# KiCad board 8-Bit CPU 32k.kicad_pcb
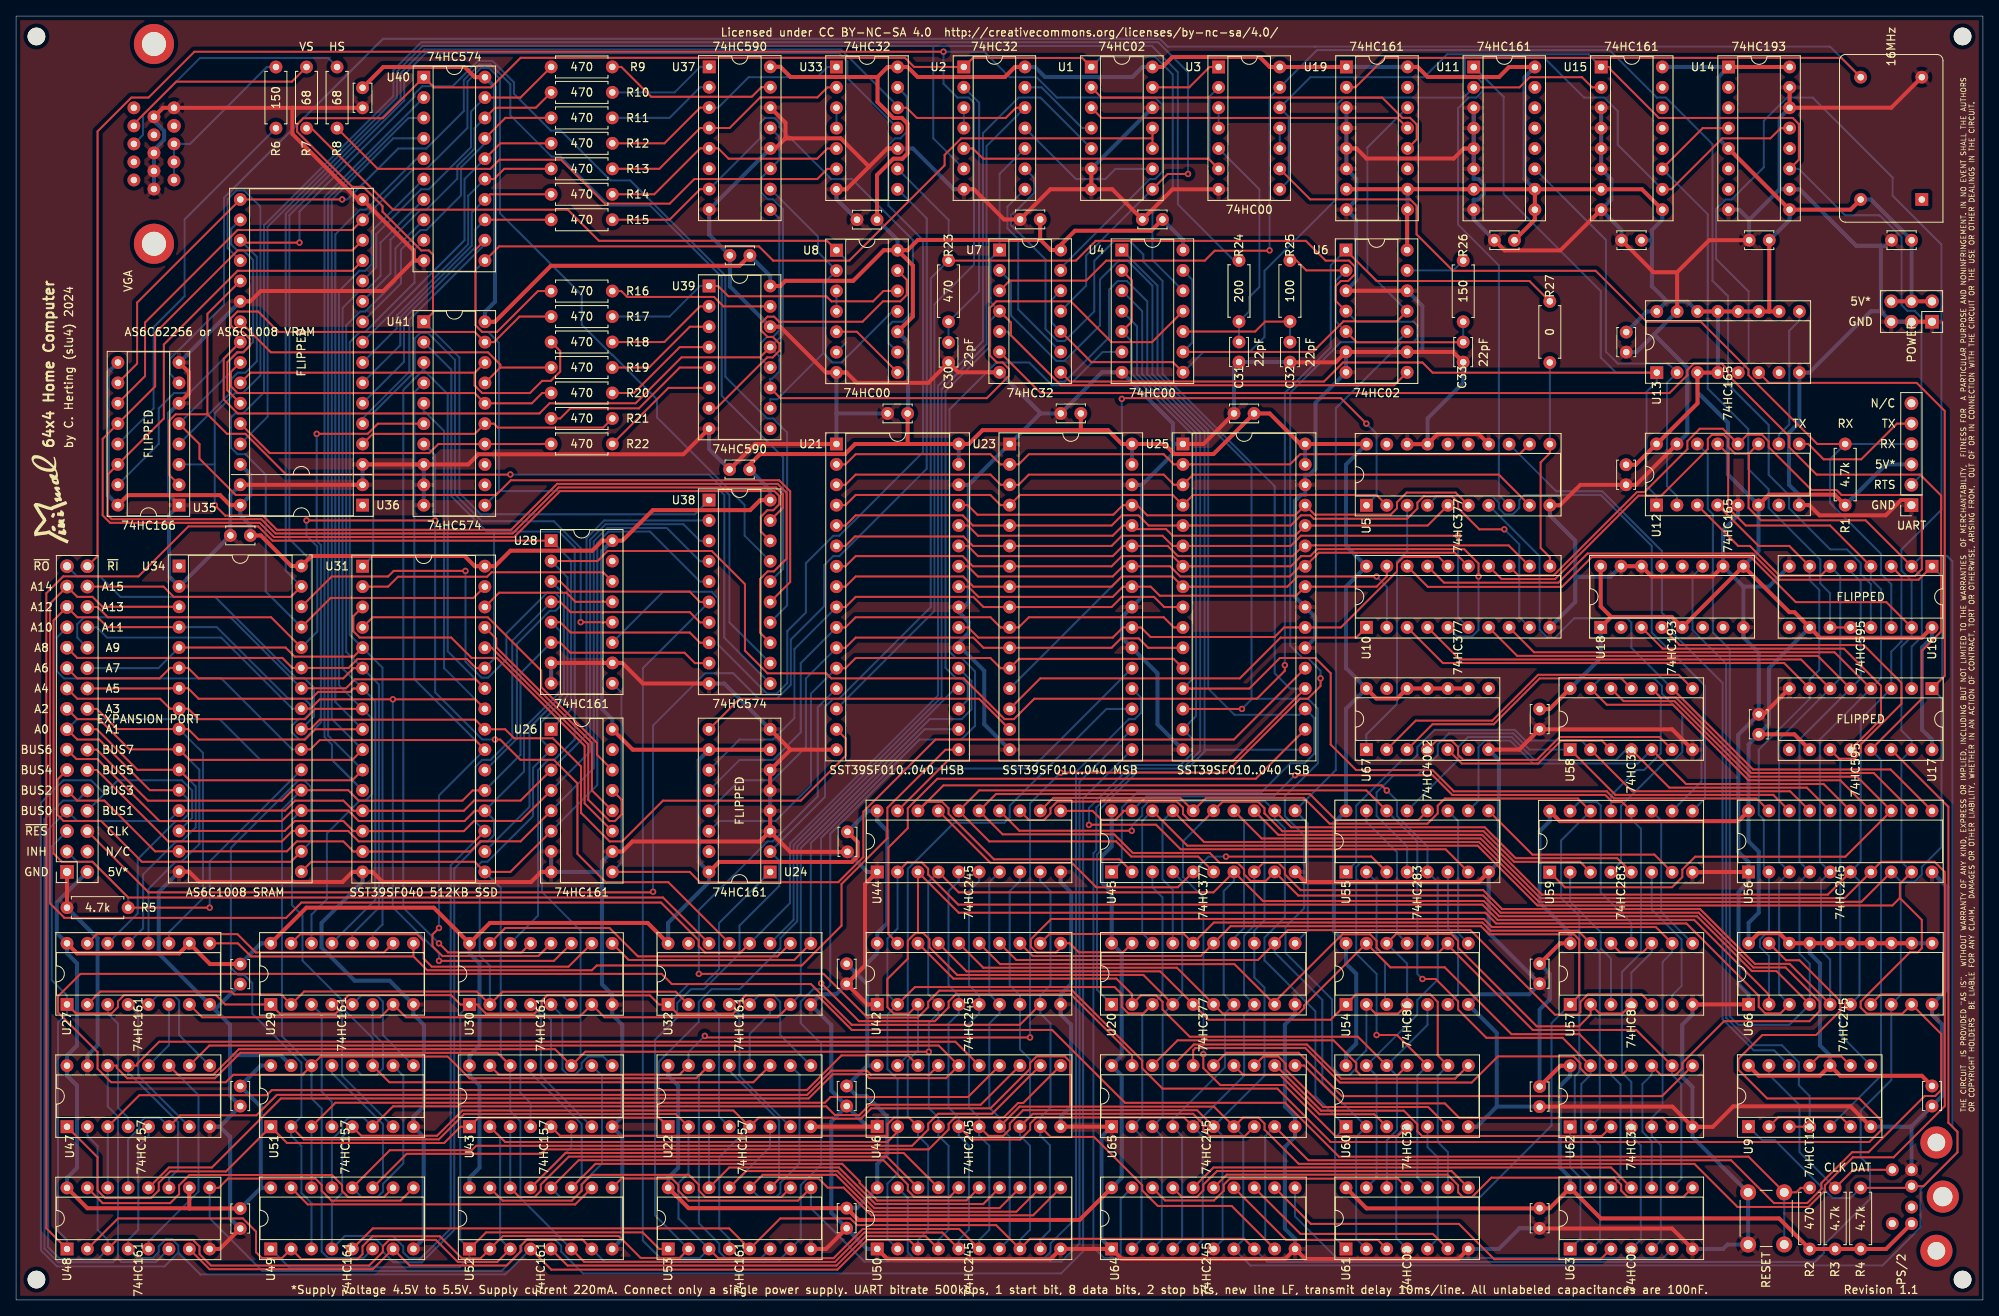
[diagram p0: board, top side]
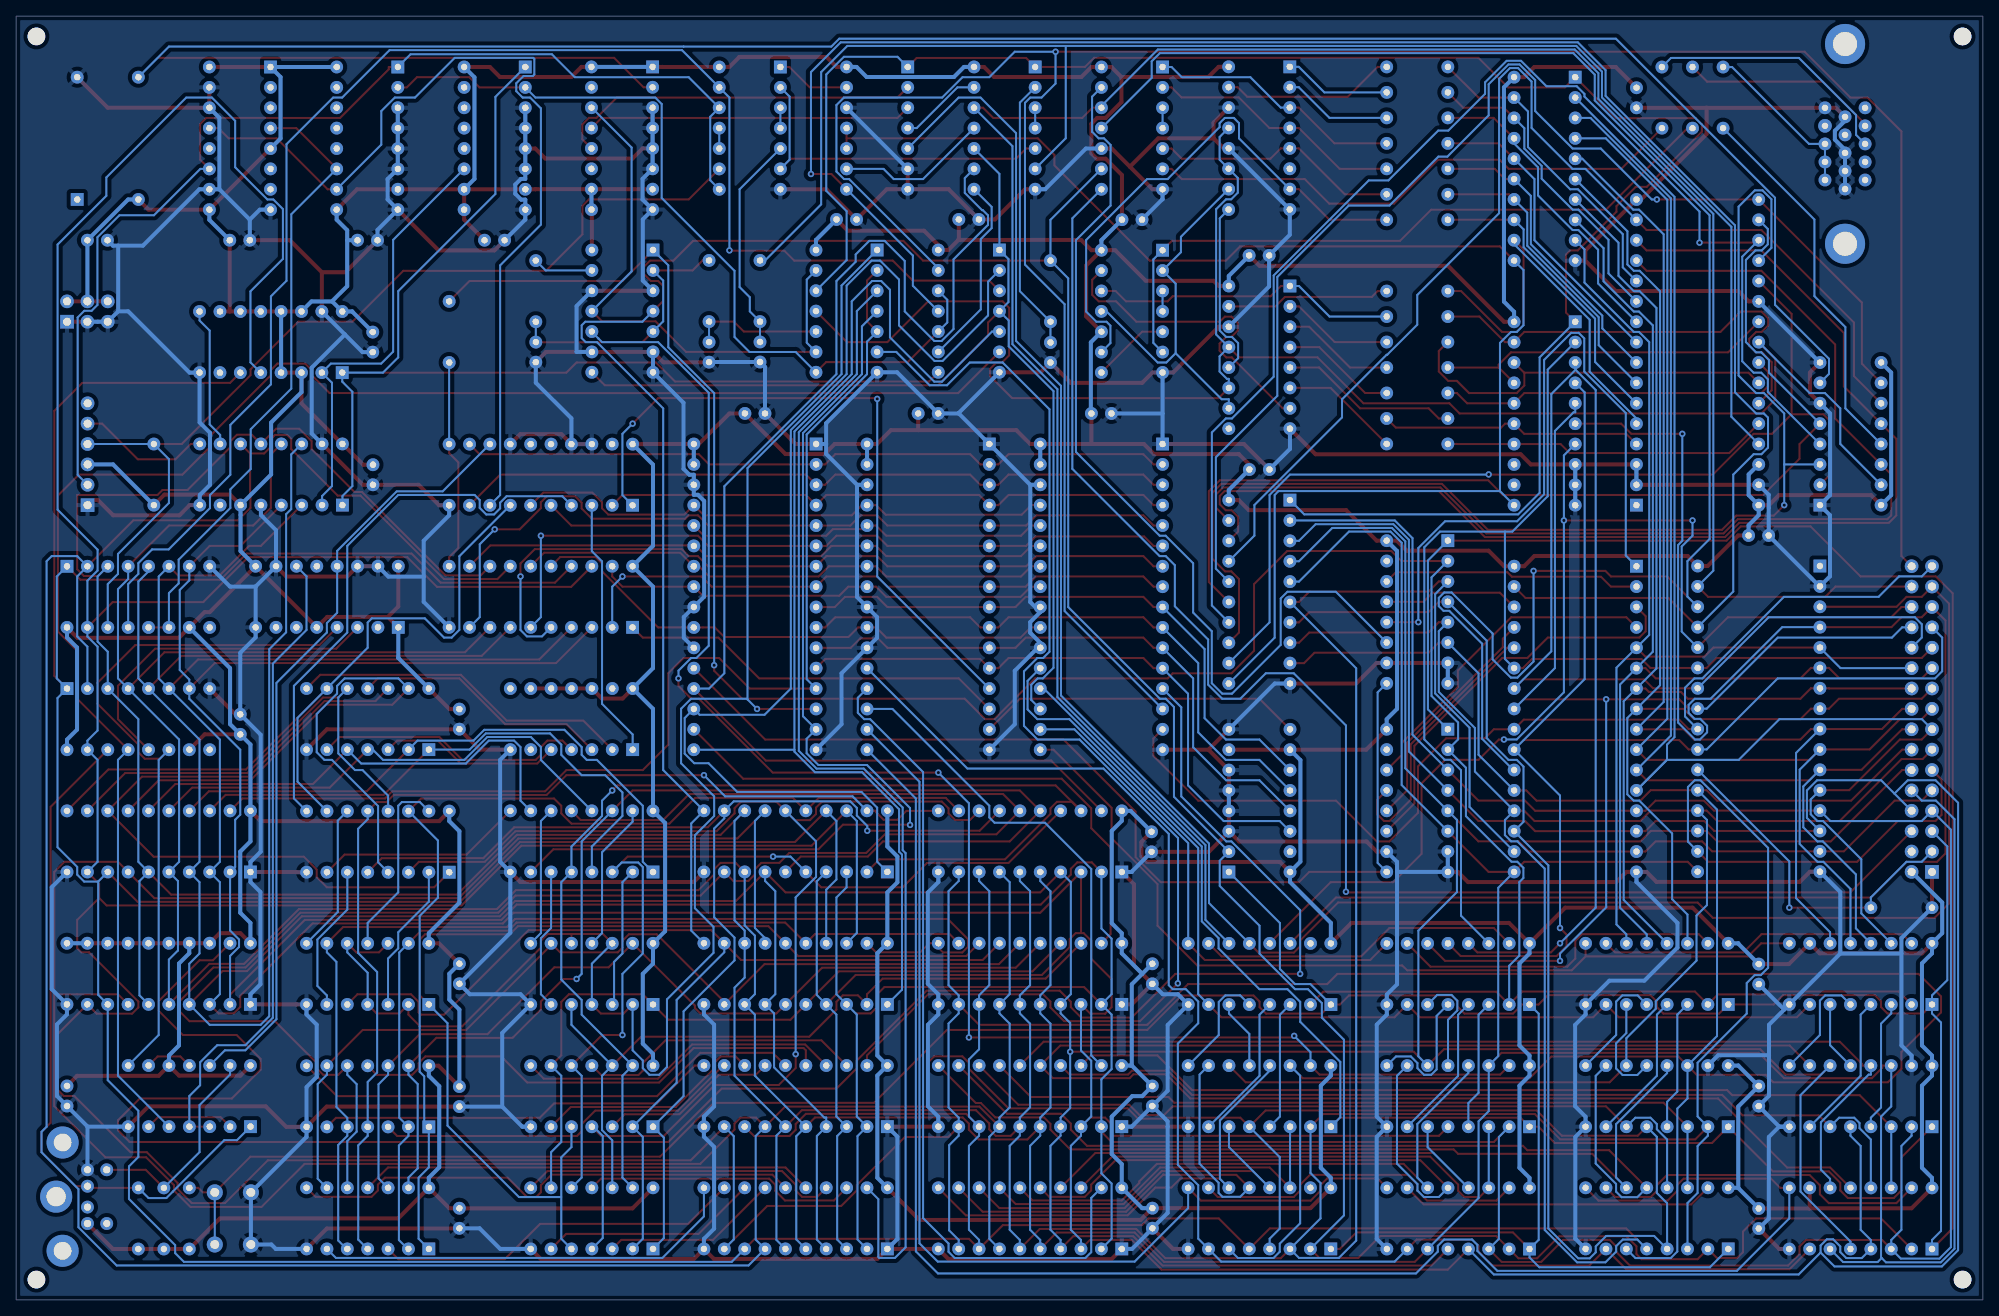
[diagram p1: board, bottom side, seen from below]

Outline 245.11 x 160.02 mm; copper layers: Top, Bottom. Coordinates in mm from the lower left corner of the outline.
Outline path: rectangle 0,160.02 245.11,0
Stack: Top 0.035mm / dielectric 1.51mm FR4 er 4.5 / Bottom 0.035mm

## Placement (name value [footprint] x y rotation side)
C1  100nF  [C_Disc_D3.4mm_W2.1mm_P2.50mm]  142.87 134.67 180 top
C2  100nF  [C_Disc_D3.4mm_W2.1mm_P2.50mm]  107.3 134.64 180 top
C3  100nF  [C_Disc_D3.4mm_W2.1mm_P2.50mm]  238.76 26.67 270 top
C4  100nF  [C_Disc_D3.4mm_W2.1mm_P2.50mm]  103.51 41.9 270 top
C5  100nF  [C_Disc_D3.4mm_W2.1mm_P2.50mm]  202.56 132.08 180 top
C6  100nF  [C_Disc_D3.4mm_W2.1mm_P2.50mm]  29.2 95.28 180 top
C7  100nF  [C_Disc_D3.4mm_W2.1mm_P2.50mm]  189.87 41.91 270 top
C8  100nF  [C_Disc_D3.4mm_W2.1mm_P2.50mm]  132.69 110.49 180 top
C9  100nF  [C_Disc_D3.4mm_W2.1mm_P2.50mm]  27.94 41.86 270 top
C10  100nF  [C_Disc_D3.4mm_W2.1mm_P2.50mm]  154.28 110.49 180 top
C11  100nF  [C_Disc_D3.4mm_W2.1mm_P2.50mm]  103.61 58.35 270 top
C12  100nF  [C_Disc_D3.4mm_W2.1mm_P2.50mm]  91.45 130.19 180 top
C13  100nF  [C_Disc_D3.4mm_W2.1mm_P2.50mm]  189.87 73.64 270 top
C14  100nF  [C_Disc_D3.4mm_W2.1mm_P2.50mm]  236.22 132.08 180 top
C15  100nF  [C_Disc_D3.4mm_W2.1mm_P2.50mm]  189.87 26.6 270 top
C16  100nF  [C_Disc_D3.4mm_W2.1mm_P2.50mm]  27.94 26.66 270 top
C17  100nF  [C_Disc_D3.4mm_W2.1mm_P2.50mm]  218.48 132.08 180 top
C18  100nF  [C_Disc_D3.4mm_W2.1mm_P2.50mm]  217.17 70.5 90 top
C19  100nF  [C_Disc_D3.4mm_W2.1mm_P2.50mm]  186.73 132.08 180 top
C20  100nF  [C_Disc_D3.4mm_W2.1mm_P2.50mm]  127.62 134.67 180 top
C21  100nF  [C_Disc_D3.4mm_W2.1mm_P2.50mm]  43.18 151.08 270 top
C22  100nF  [C_Disc_D3.4mm_W2.1mm_P2.50mm]  103.51 26.67 270 top
C23  100nF  [C_Disc_D3.4mm_W2.1mm_P2.50mm]  200.63 104.1 270 top
C24  100nF  [C_Disc_D3.4mm_W2.1mm_P2.50mm]  27.94 11.4 270 top
C25  100nF  [C_Disc_D3.4mm_W2.1mm_P2.50mm]  200.66 120.63 270 top
C26  100nF  [C_Disc_D3.4mm_W2.1mm_P2.50mm]  111.11 110.49 180 top
C27  100nF  [C_Disc_D3.4mm_W2.1mm_P2.50mm]  103.51 11.44 270 top
C28  100nF  [C_Disc_D3.4mm_W2.1mm_P2.50mm]  189.87 11.43 270 top
C29  100nF  [C_Disc_D3.4mm_W2.1mm_P2.50mm]  91.42 103.5 180 top
C30  22pF  [C_Disc_D3.4mm_W2.1mm_P2.50mm]  116.2 119.34 270 top
C31  22pF  [C_Disc_D3.4mm_W2.1mm_P2.50mm]  152.4 119.4 270 top
C32  22pF  [C_Disc_D3.4mm_W2.1mm_P2.50mm]  158.75 119.38 270 top
C33  22pF  [C_Disc_D3.4mm_W2.1mm_P2.50mm]  180.34 119.38 270 top
G***  LOGO  [logo]  4.2 99.79 90 top
H1  M2  [MountingHole_2.2mm_M2]  2.54 157.47 270 top
H2  M2  [MountingHole_2.2mm_M2]  2.54 2.54 0 top
H3  M2  [MountingHole_2.2mm_M2]  242.57 157.48 0 top
H4  M2  [MountingHole_2.2mm_M2]  242.57 2.54 0 top
J1  UART  [PinSocket_1x06_P2.54mm_Vertical]  236.19 99.06 180 top
J2  PS/2  [FP_MINI_DIN_6_PS2]  245.11 12.88 270 top
J3  EXPANSION PORT  [PinSocket_2x16_P2.54mm_Vertical]  6.35 53.35 180 top
J4  VGA  [VGA DSUB15HD_female]  21.94 144.08 270 top
J5  POWER  [PinSocket_2x03_P2.54mm_Vertical]  238.76 121.92 270 top
R1  4.7k  [R_Axial_DIN0207_L6.3mm_D2.5mm_P7.62mm_Horizontal]  227.94 99.06 90 top
R2  470  [R_Axial_DIN0207_L6.3mm_D2.5mm_P7.62mm_Horizontal]  223.52 6.35 90 top
R3  4.7k  [R_Axial_DIN0207_L6.3mm_D2.5mm_P7.62mm_Horizontal]  226.69 6.35 90 top
R4  4.7k  [R_Axial_DIN0207_L6.3mm_D2.5mm_P7.62mm_Horizontal]  229.87 6.35 90 top
R5  4.7k  [R_Axial_DIN0207_L6.3mm_D2.5mm_P7.62mm_Horizontal]  6.35 48.9 0 top
R6  150  [R_Axial_DIN0207_L6.3mm_D2.5mm_P7.62mm_Horizontal]  32.39 146.05 90 top
R7  68  [R_Axial_DIN0207_L6.3mm_D2.5mm_P7.62mm_Horizontal]  36.19 153.66 270 top
R8  68  [R_Axial_DIN0207_L6.3mm_D2.5mm_P7.62mm_Horizontal]  40.01 153.66 270 top
R9  470  [R_Axial_DIN0207_L6.3mm_D2.5mm_P7.62mm_Horizontal]  66.68 153.68 0 top
R10  470  [R_Axial_DIN0207_L6.3mm_D2.5mm_P7.62mm_Horizontal]  66.68 150.5 0 top
R11  470  [R_Axial_DIN0207_L6.3mm_D2.5mm_P7.62mm_Horizontal]  66.68 147.33 0 top
R12  470  [R_Axial_DIN0207_L6.3mm_D2.5mm_P7.62mm_Horizontal]  66.68 144.16 0 top
R13  470  [R_Axial_DIN0207_L6.3mm_D2.5mm_P7.62mm_Horizontal]  66.68 140.98 0 top
R14  470  [R_Axial_DIN0207_L6.3mm_D2.5mm_P7.62mm_Horizontal]  66.68 137.81 0 top
R15  470  [R_Axial_DIN0207_L6.3mm_D2.5mm_P7.62mm_Horizontal]  66.68 134.63 0 top
R16  470  [R_Axial_DIN0207_L6.3mm_D2.5mm_P7.62mm_Horizontal]  66.68 125.74 0 top
R17  470  [R_Axial_DIN0207_L6.3mm_D2.5mm_P7.62mm_Horizontal]  74.3 122.56 180 top
R18  470  [R_Axial_DIN0207_L6.3mm_D2.5mm_P7.62mm_Horizontal]  74.3 119.39 180 top
R19  470  [R_Axial_DIN0207_L6.3mm_D2.5mm_P7.62mm_Horizontal]  74.3 116.22 180 top
R20  470  [R_Axial_DIN0207_L6.3mm_D2.5mm_P7.62mm_Horizontal]  74.3 113.04 180 top
R21  470  [R_Axial_DIN0207_L6.3mm_D2.5mm_P7.62mm_Horizontal]  74.3 109.86 180 top
R22  470  [R_Axial_DIN0207_L6.3mm_D2.5mm_P7.62mm_Horizontal]  74.3 106.69 180 top
R23  470  [R_Axial_DIN0207_L6.3mm_D2.5mm_P7.62mm_Horizontal]  116.2 129.54 270 top
R24  200  [R_Axial_DIN0207_L6.3mm_D2.5mm_P7.62mm_Horizontal]  152.4 129.56 270 top
R25  100  [R_Axial_DIN0207_L6.3mm_D2.5mm_P7.62mm_Horizontal]  158.75 129.56 270 top
R26  150  [R_Axial_DIN0207_L6.3mm_D2.5mm_P7.62mm_Horizontal]  180.34 129.54 270 top
R27  0  [R_Axial_DIN0207_L6.3mm_D2.5mm_P7.62mm_Horizontal]  191.13 116.84 90 top
SW1  RESET  [SW_PUSH_6mm]  220.34 13.41 270 top
U1  74HC02  [DIP-14_W7.62mm_Socket]  134 153.68 0 top
U2  74HC32  [DIP-14_W7.62mm_Socket]  118.11 153.68 0 top
U3  74HC00  [DIP-14_W7.62mm_Socket]  149.86 153.67 0 top
U4  74HC00  [DIP-14_W7.62mm_Socket]  137.81 130.86 0 top
U5  74HC377  [DIP-20_W7.62mm_Socket]  168.28 99.04 90 top
U6  74HC02  [DIP-14_W7.62mm_Socket]  165.74 130.86 0 top
U7  74HC32  [DIP-14_W7.62mm_Socket]  122.57 130.86 0 top
U8  74HC00  [DIP-14_W7.62mm_Socket]  102.23 130.83 0 top
U9  74HCT132  [DIP-14_W7.62mm_Socket]  215.89 21.6 90 top
U10  74HC377  [DIP-20_W7.62mm_Socket]  168.28 83.83 90 top
U11  74HC161  [DIP-16_W7.62mm_Socket]  181.65 153.67 0 top
U12  74HC165  [DIP-16_W7.62mm_Socket]  204.44 99.07 90 top
U13  74HC165  [DIP-16_W7.62mm_Socket]  204.46 115.58 90 top
U14  74HC193  [DIP-16_W7.62mm_Socket]  213.4 153.67 0 top
U15  74HC161  [DIP-16_W7.62mm_Socket]  197.53 153.67 0 top
U16  74HC595  [DIP-16_W7.62mm_Socket]  238.76 91.44 270 top
U17  74HC595  [DIP-16_W7.62mm_Socket]  238.76 76.2 270 top
U18  74HC193  [DIP-16_W7.62mm_Socket]  197.47 83.83 90 top
U19  74HC161  [DIP-16_W7.62mm_Socket]  165.79 153.68 0 top
U20  74HC377  [DIP-20_W7.62mm_Socket]  136.53 36.84 90 top
U21  SST39SF010..040 HSB  [DIP-32_W15.24mm_Socket]  102.23 106.68 0 top
U22  74HC157  [DIP-16_W7.62mm_Socket]  81.26 21.59 90 top
U23  SST39SF010..040 MSB  [DIP-32_W15.24mm_Socket]  123.82 106.68 0 top
U24  74HC161  [DIP-16_W7.62mm_Socket]  93.97 53.34 180 top
U25  SST39SF010..040 LSB  [DIP-32_W15.24mm_Socket]  145.41 106.68 0 top
U26  74HC161  [DIP-16_W7.62mm_Socket]  66.68 71.13 0 top
U27  74HC161  [DIP-16_W7.62mm_Socket]  6.35 36.83 90 top
U28  74HC161  [DIP-16_W7.62mm_Socket]  66.68 94.63 0 top
U29  74HC161  [DIP-16_W7.62mm_Socket]  31.74 36.83 90 top
U30  74HC161  [DIP-16_W7.62mm_Socket]  56.51 36.82 90 top
U31  SST39SF040 512KB SSD  [DIP-32_W15.24mm_Socket]  43.18 91.45 0 top
U32  74HC161  [DIP-16_W7.62mm_Socket]  81.26 36.82 90 top
U33  74HC32  [DIP-14_W7.62mm_Socket]  102.23 153.67 0 top
U34  AS6C1008 SRAM  [DIP-32_W15.24mm_Socket]  20.31 91.47 0 top
U35  74HC166  [DIP-16_W7.62mm_Socket]  20.31 99.06 180 top
U36  AS6C62256 or AS6C1008 VRAM  [DIP-32_W15.24mm_Socket]  43.18 99.06 180 top
U37  74HC590  [DIP-16_W7.62mm_Socket]  86.38 153.69 0 top
U38  74HC574  [DIP-20_W7.62mm_Socket]  86.36 99.69 0 top
U39  74HC590  [DIP-16_W7.62mm_Socket]  86.36 126.38 0 top
U40  74HC574  [DIP-20_W7.62mm_Socket]  50.81 152.4 0 top
U41  74HC574  [DIP-20_W7.62mm_Socket]  50.81 121.91 0 top
U42  74HC245  [DIP-20_W7.62mm_Socket]  107.32 36.84 90 top
U43  74HC157  [DIP-16_W7.62mm_Socket]  56.51 21.59 90 top
U44  74HC245  [DIP-20_W7.62mm_Socket]  107.32 53.34 90 top
U45  74HC377  [DIP-20_W7.62mm_Socket]  136.53 53.35 90 top
U46  74HC245  [DIP-20_W7.62mm_Socket]  107.32 21.6 90 top
U47  74HC157  [DIP-16_W7.62mm_Socket]  6.35 21.59 90 top
U48  74HC161  [DIP-16_W7.62mm_Socket]  6.35 6.35 90 top
U49  74HC161  [DIP-16_W7.62mm_Socket]  31.74 6.36 90 top
U50  74HC245  [DIP-20_W7.62mm_Socket]  107.32 6.36 90 top
U51  74HC157  [DIP-16_W7.62mm_Socket]  31.74 21.59 90 top
U52  74HC161  [DIP-16_W7.62mm_Socket]  56.51 6.35 90 top
U53  74HC161  [DIP-16_W7.62mm_Socket]  81.27 6.36 90 top
U54  74HC86  [DIP-14_W7.62mm_Socket]  165.74 36.83 90 top
U55  74HC283  [DIP-16_W7.62mm_Socket]  165.74 53.34 90 top
U56  74HC245  [DIP-20_W7.62mm_Socket]  215.9 53.34 90 top
U57  74HC86  [DIP-14_W7.62mm_Socket]  193.68 36.83 90 top
U58  74HC32  [DIP-14_W7.62mm_Socket]  193.67 68.59 90 top
U59  74HC283  [DIP-16_W7.62mm_Socket]  191.12 53.31 90 top
U60  74HC32  [DIP-14_W7.62mm_Socket]  165.74 21.59 90 top
U61  74HC08  [DIP-14_W7.62mm_Socket]  165.74 6.36 90 top
U62  74HC32  [DIP-14_W7.62mm_Socket]  193.67 21.57 90 top
U63  74HC08  [DIP-14_W7.62mm_Socket]  193.67 6.36 90 top
U64  74HC245  [DIP-20_W7.62mm_Socket]  136.53 6.36 90 top
U65  74HC245  [DIP-20_W7.62mm_Socket]  136.53 21.6 90 top
U66  74HC245  [DIP-20_W7.62mm_Socket]  215.9 36.84 90 top
U67  74HC4002  [DIP-14_W7.62mm_Socket]  168.27 68.59 90 top
X1  16MHz  [Oscillator_DIP-14]  237.49 137.16 90 top

## Footprints (pads in the part's own frame, mm; a bottom-side part is the same pattern mirrored in y, then rotated)
C_Disc_D3.4mm_W2.1mm_P2.50mm
  round 1.6 hole 0.8: 1(0,0) 2(2.5,0)
DIP-14_W7.62mm_Socket
  rect 1.6x1.6 hole 0.8: 1(0,0)
  oval 1.6x1.6 hole 0.8: 2(0,-2.54) 3(0,-5.08) 4(0,-7.62) 5(0,-10.16) 6(0,-12.7) 7(0,-15.24) 8(7.62,-15.24) 9(7.62,-12.7) 10(7.62,-10.16) 11(7.62,-7.62) 12(7.62,-5.08) 13(7.62,-2.54) 14(7.62,0)
DIP-16_W7.62mm_Socket
  rect 1.6x1.6 hole 0.8: 1(0,0)
  oval 1.6x1.6 hole 0.8: 2(0,-2.54) 3(0,-5.08) 4(0,-7.62) 5(0,-10.16) 6(0,-12.7) 7(0,-15.24) 8(0,-17.78) 9(7.62,-17.78) 10(7.62,-15.24) 11(7.62,-12.7) 12(7.62,-10.16) 13(7.62,-7.62) 14(7.62,-5.08) 15(7.62,-2.54) 16(7.62,0)
DIP-20_W7.62mm_Socket
  rect 1.6x1.6 hole 0.8: 1(0,0)
  oval 1.6x1.6 hole 0.8: 2(0,-2.54) 3(0,-5.08) 4(0,-7.62) 5(0,-10.16) 6(0,-12.7) 7(0,-15.24) 8(0,-17.78) 9(0,-20.32) 10(0,-22.86) 11(7.62,-22.86) 12(7.62,-20.32) 13(7.62,-17.78) 14(7.62,-15.24) 15(7.62,-12.7) 16(7.62,-10.16) 17(7.62,-7.62) 18(7.62,-5.08) 19(7.62,-2.54) 20(7.62,0)
DIP-32_W15.24mm_Socket
  rect 1.6x1.6 hole 0.8: 1(0,0)
  oval 1.6x1.6 hole 0.8: 2(0,-2.54) 3(0,-5.08) 4(0,-7.62) 5(0,-10.16) 6(0,-12.7) 7(0,-15.24) 8(0,-17.78) 9(0,-20.32) 10(0,-22.86) 11(0,-25.4) 12(0,-27.94) 13(0,-30.48) 14(0,-33.02) 15(0,-35.56) 16(0,-38.1) 17(15.24,-38.1) 18(15.24,-35.56) 19(15.24,-33.02) 20(15.24,-30.48) 21(15.24,-27.94) 22(15.24,-25.4) 23(15.24,-22.86) 24(15.24,-20.32) 25(15.24,-17.78) 26(15.24,-15.24) 27(15.24,-12.7) 28(15.24,-10.16) 29(15.24,-7.62) 30(15.24,-5.08) 31(15.24,-2.54) 32(15.24,0)
FP_MINI_DIN_6_PS2
  round 4 hole 2.2: (-6.75,-5.8) (6.75,-5.8)
  round 4 hole 2.4: (0,-5)
  round 1.6 hole 0.9: 1(-1.3,-8.9) 2(1.3,-8.9) 3(-3.35,-8.9) 4(3.35,-8.9) 5(-3.35,-11.3) 6(3.35,-11.3)
MountingHole_2.2mm_M2
  round 2.2 hole 2.2 unplated: (0,0)
Oscillator_DIP-14
  rect 1.6x1.6 hole 0.8: 1(0,0)
  round 1.6 hole 0.8: 7(15.24,0) 8(15.24,7.62) 14(0,7.62)
PinSocket_1x06_P2.54mm_Vertical
  rect 1.7x1.7 hole 1: 1(0,0)
  oval 1.7x1.7 hole 1: 2(0,-2.54) 3(0,-5.08) 4(0,-7.62) 5(0,-10.16) 6(0,-12.7)
PinSocket_2x03_P2.54mm_Vertical
  rect 1.7x1.7 hole 1: 1(0,0)
  oval 1.7x1.7 hole 1: 2(-2.54,0) 3(0,-2.54) 4(-2.54,-2.54) 5(0,-5.08) 6(-2.54,-5.08)
PinSocket_2x16_P2.54mm_Vertical
  rect 1.7x1.7 hole 1: 1(0,0)
  oval 1.7x1.7 hole 1: 2(-2.54,0) 3(0,-2.54) 4(-2.54,-2.54) 5(0,-5.08) 6(-2.54,-5.08) 7(0,-7.62) 8(-2.54,-7.62) 9(0,-10.16) 10(-2.54,-10.16) 11(0,-12.7) 12(-2.54,-12.7) 13(0,-15.24) 14(-2.54,-15.24) 15(0,-17.78) 16(-2.54,-17.78) 17(0,-20.32) 18(-2.54,-20.32) 19(0,-22.86) 20(-2.54,-22.86) 21(0,-25.4) 22(-2.54,-25.4) 23(0,-27.94) 24(-2.54,-27.94) 25(0,-30.48) 26(-2.54,-30.48) 27(0,-33.02) 28(-2.54,-33.02) 29(0,-35.56) 30(-2.54,-35.56) 31(0,-38.1) 32(-2.54,-38.1)
R_Axial_DIN0207_L6.3mm_D2.5mm_P7.62mm_Horizontal
  round 1.6 hole 0.8: 1(0,0)
  oval 1.6x1.6 hole 0.8: 2(7.62,0)
SW_PUSH_6mm
  round 2 hole 1.1: 1(0,0) 1(6.5,0) 2(0,-4.5) 2(6.5,-4.5)
VGA DSUB15HD_female
  round 5 hole 3: (-12.45,-4.75) (12.45,-4.75)
  round 1.6 hole 0.8: 1(4.5,-2.25) 2(2.25,-2.25) 3(0,-2.25) 5(-4.5,-2.25) 6(5.625,-4.75) 7(3.375,-4.75) 8(1.125,-4.75) 9(-1.125,-4.75) 10(-3.375,-4.75) 11(4.5,-7.25) 12(2.25,-7.25) 13(0,-7.25) 14(-2.25,-7.25) 15(-4.5,-7.25)
  round 1.7 hole 0.8: 4(-2.25,-2.25)

## Nets
+5V: C1.1 C2.1 C3.1 C4.1 C5.1 C6.1 C7.1 C8.1 C9.1 C10.1 C11.1 C12.1 C13.1 C14.1 C15.1 C16.1 C17.1 C18.1 C19.1 C20.1 C21.1 C22.1 C23.1 C24.1 C25.1 C26.1 C27.1 C28.1 C29.1 J1.3 J2.4 J3.2 J5.2 J5.4 J5.6 R1.1 R2.1 R3.1 R4.1 U1.14 U2.14 U3.14 U4.14 U5.20 U6.14 U7.14 U8.10 U8.14 U9.10 U9.14 U10.20 U11.7 U11.9 U11.10 U11.16 U12.6 U12.16 U13.3 U13.4 U13.10 U13.11 U13.12 U13.13 U13.14 U13.16 U14.1 U14.5 U14.9 U14.16 U15.7 U15.9 U15.16 U16.10 U16.16 U17.10 U17.16 U18.1 U18.5 U18.9 U18.16 U19.1 U19.7 U19.9 U19.10 U19.16 U20.20 U21.31 U21.32 U22.16 U23.31 U23.32 U24.7 U24.10 U24.16 U25.31 U25.32 U26.16 U27.10 U27.16 U28.16 U29.16 U30.16 U31.32 U32.16 U33.14 U34.32 U35.9 U35.16 U36.30 U36.32 U37.16 U38.20 U39.16 U40.20 U41.20 U42.20 U43.16 U44.20 U45.20 U46.20 U47.16 U48.10 U48.16 U49.16 U50.20 U51.16 U52.16 U53.16 U54.14 U55.16 U56.20 U57.14 U58.14 U59.16 U60.14 U61.14 U62.14 U63.14 U64.20 U65.20 U66.11 U66.12 U66.13 U66.14 U66.15 U66.16 U66.17 U66.18 U66.20 U67.9 U67.10 U67.11 U67.12 U67.14 X1.14
/VGA/V1: R15.2 U8.9 U37.7
/VGA/V2: R16.2 U39.15
/VGA/V4: R17.1 U8.12 U39.1
/VGA/V8: R18.1 U39.2
/VGA/V16: R19.1 U39.3
/VGA/V32: R20.1 U39.4
/VGA/V64: R21.2 U39.5
/VGA/V128: R22.1 U39.6
/VGA/V256: U8.13 U39.7
GND: C1.2 C2.2 C3.2 C4.2 C5.2 C6.2 C7.2 C8.2 C9.2 C10.2 C11.2 C12.2 C13.2 C14.2 C15.2 C16.2 C17.2 C18.2 C19.2 C20.2 C21.2 C22.2 C23.2 C24.2 C25.2 C26.2 C27.2 C28.2 C29.2 C30.2 C31.2 C32.2 C33.2 J1.1 J2.3 J3.1 J4.5 J4.6 J4.7 J4.8 J4.10 J5.1 J5.3 J5.5 R5.1 SW1.2 U1.6 U1.7 U1.12 U2.7 U3.7 U4.7 U5.10 U5.14 U5.17 U5.18 U6.3 U6.6 U6.7 U6.9 U6.12 U7.7 U8.7 U9.7 U10.10 U11.3 U11.4 U11.5 U11.6 U11.8 U12.5 U12.8 U12.15 U13.8 U13.15 U14.8 U14.10 U14.14 U14.15 U15.3 U15.4 U15.5 U15.6 U15.8 U16.8 U17.8 U18.8 U18.10 U18.14 U18.15 U19.3 U19.4 U19.5 U19.6 U19.8 U20.10 U21.1 U21.16 U21.22 U21.24 U21.30 U22.8 U23.1 U23.16 U23.22 U23.24 U23.30 U24.3 U24.4 U24.5 U24.6 U24.8 U25.1 U25.16 U25.22 U25.24 U25.30 U26.7 U26.8 U26.10 U27.8 U28.7 U28.8 U28.10 U29.8 U30.8 U31.16 U32.8 U33.7 U33.10 U34.2 U34.16 U35.1 U35.6 U35.8 U36.2 U36.3 U36.16 U36.22 U36.31 U37.8 U37.12 U37.14 U38.10 U39.8 U39.14 U40.10 U41.8 U41.9 U41.10 U42.1 U42.10 U43.8 U44.1 U44.10 U45.10 U46.1 U46.10 U47.8 U47.15 U48.8 U49.8 U50.1 U50.10 U51.8 U51.15 U52.8 U53.8 U54.7 U55.8 U56.1 U56.10 U57.7 U58.7 U59.8 U60.7 U61.7 U62.7 U63.7 U64.1 U64.10 U65.1 U65.10 U66.1 U66.10 U67.7 X1.7
16MHz: U19.2 U35.7 X1.8
/ALU/A0: U44.18 U45.2 U55.5 U60.13 U61.13
/ALU/A1: U44.17 U45.5 U55.3 U60.10 U61.10
/ALU/A2: U44.16 U45.6 U55.14 U62.13 U63.13
/ALU/A3: U44.15 U45.9 U55.12 U62.10 U63.10
/ALU/A4: U44.14 U45.12 U59.5 U60.1 U61.1
/ALU/A5: U44.13 U45.15 U59.3 U60.4 U61.4
/ALU/A6: U44.12 U45.16 U59.14 U62.1 U63.1
/ALU/A7: U44.11 U45.19 U59.12 U62.4 U63.4
/ALU/B0: U20.2 U42.18 U54.5 U60.12 U61.12
/ALU/B1: U20.5 U42.17 U54.1 U60.9 U61.9
/ALU/B2: U20.6 U42.16 U54.13 U62.12 U63.12
/ALU/B3: U20.9 U42.15 U54.9 U62.9 U63.9
/ALU/B4: U20.12 U42.14 U57.5 U60.2 U61.2
/ALU/B5: U20.15 U42.13 U57.1 U60.5 U61.5
/ALU/B6: U20.16 U42.12 U57.13 U62.2 U63.2
/ALU/B7: U20.19 U42.11 U57.9 U62.5 U63.5
/ALU/BUS0: J3.7 U10.3 U12.4 U16.7 U17.7 U20.3 U26.3 U31.13 U34.13 U38.2 U42.2 U43.2 U44.2 U45.3 U46.2 U47.2 U48.3 U50.2 U52.3 U56.2 U64.2 U65.2 U66.2
/ALU/BUS1: J3.8 U10.4 U12.3 U16.6 U17.6 U20.4 U26.4 U31.14 U34.14 U38.3 U42.3 U43.5 U44.3 U45.4 U46.3 U47.5 U48.4 U50.3 U52.4 U56.3 U64.3 U65.3 U66.3
/ALU/BUS2: J3.9 U10.7 U12.14 U16.5 U17.5 U20.7 U26.5 U31.15 U34.15 U38.4 U42.4 U43.11 U44.4 U45.7 U46.4 U47.11 U48.5 U50.4 U52.5 U56.4 U64.4 U65.4 U66.4
/ALU/BUS3: J3.10 U10.8 U12.13 U16.4 U17.4 U20.8 U26.6 U31.17 U34.17 U38.5 U42.5 U43.14 U44.5 U45.8 U46.5 U47.14 U48.6 U50.5 U52.6 U56.5 U64.5 U65.5 U66.5
/ALU/BUS4: J3.11 U10.13 U12.12 U16.3 U17.3 U20.13 U22.2 U28.3 U31.18 U34.18 U38.6 U42.6 U44.6 U45.13 U46.6 U49.3 U50.6 U51.2 U53.3 U56.6 U64.6 U65.6 U66.6
/ALU/BUS5: J3.12 U10.14 U12.11 U16.2 U17.2 U20.14 U22.5 U28.4 U31.19 U34.19 U38.7 U42.7 U44.7 U45.14 U46.7 U49.4 U50.7 U51.5 U53.4 U56.7 U64.7 U65.7 U66.7
/ALU/BUS6: J3.13 U10.17 U13.6 U16.1 U17.1 U20.17 U22.11 U28.5 U31.20 U34.20 U38.8 U42.8 U44.8 U45.17 U46.8 U49.5 U50.8 U51.11 U53.5 U56.8 U64.8 U65.8 U66.8
/ALU/BUS7: J3.14 U10.18 U13.5 U16.15 U17.15 U20.18 U22.14 U28.6 U31.21 U34.21 U38.9 U42.9 U44.9 U45.18 U46.9 U49.6 U50.9 U51.14 U53.6 U56.9 U64.9 U65.9 U66.9
/ALU/C_FLG: U5.4 U59.9
/ALU/EC: U4.4 U25.15 U55.7
/ALU/ES: U4.1 U25.14 U54.2 U54.4 U54.10 U54.12 U57.2 U57.4 U57.10 U57.12
/ALU/N_FLG: U5.7 U56.11 U58.9 U59.10
/ALU/Z_FLG: U5.3 U67.1
/ALU/~{AND}: U4.3 U64.19
/ALU/~{EO}: U4.2 U4.5 U25.13 U56.19
/ALU/~{OR}: U4.6 U65.19
/Control Logic/2MHz: U1.2 U19.12
/Control Logic/4MHz: U1.3 U19.13
/Control Logic/8MHz: U4.9 U4.13 U6.11 U19.14
/Control Logic/CE: U23.21 U48.7 U49.7 U52.7 U53.7
/Control Logic/Flag0: U5.2 U21.4 U23.4 U25.4
/Control Logic/Flag1: U5.5 U21.28 U23.28 U25.28
/Control Logic/Flag2: U5.6 U21.29 U23.29 U25.29
/Control Logic/Flag3: U5.9 U21.3 U23.3 U25.3
/Control Logic/Flag4: U5.12 U21.2 U23.2 U25.2
/Control Logic/Inst0: U10.2 U21.8 U23.8 U25.8
/Control Logic/Inst1: U10.5 U21.7 U23.7 U25.7
/Control Logic/Inst2: U10.6 U21.6 U23.6 U25.6
/Control Logic/Inst3: U10.9 U21.5 U23.5 U25.5
/Control Logic/Inst4: U10.12 U21.27 U23.27 U25.27
/Control Logic/Inst5: U10.15 U21.26 U23.26 U25.26
/Control Logic/Inst6: U10.16 U21.23 U23.23 U25.23
/Control Logic/Inst7: U10.19 U21.25 U23.25 U25.25
/Control Logic/MC: U21.20 U22.1 U43.1 U47.1 U51.1
/Control Logic/ME: U21.21 U27.7 U29.7 U30.7 U32.7
/Control Logic/MZ: U6.10 U22.15 U43.15
/Control Logic/Step0: U21.12 U23.12 U24.14 U25.12
/Control Logic/Step1: U21.11 U23.11 U24.13 U25.11
/Control Logic/Step2: U21.10 U23.10 U24.12 U25.10
/Control Logic/Step3: U21.9 U23.9 U24.11 U25.9
/Control Logic/VREG_CP: U1.10 U1.11 U38.11 U40.11 U41.11
/Control Logic/~{AI}: U7.2 U25.19 U45.1
/Control Logic/~{AO}: U2.9 U25.20 U44.19
/Control Logic/~{BI}: U7.5 U20.1 U25.17
/Control Logic/~{BO}: U25.18 U42.19
/Control Logic/~{CIH}: U23.18 U52.9 U53.9
/Control Logic/~{CIL}: U23.17 U48.9 U49.9
/Control Logic/~{COH}: U23.20 U50.19
/Control Logic/~{COL}: U23.19 U46.19
/Control Logic/~{FF}: U21.13 U66.19
/Control Logic/~{FI}: U5.1 U23.13
/Control Logic/~{IC}: U23.15 U24.9
/Control Logic/~{II}: U10.1 U23.14
/Control Logic/~{KO}: U7.6 U9.5 U17.13
/Control Logic/~{MIH}: U21.18 U30.9 U32.9
/Control Logic/~{MIL}: U21.17 U27.9 U29.9
/Control Logic/~{MZ}: U2.10 U6.8 U7.1 U7.4 U21.19
/Control Logic/~{NI}: U25.21 U26.9 U28.9
/Control Logic/~{PS2_DR}: U5.13 U9.12 U18.13
/Control Logic/~{RI_PLS}: U1.8 U7.11 U31.31 U34.29
/Control Logic/~{RI}: J3.32 U7.13 U21.14
/Control Logic/~{RO}: J3.31 U21.15 U31.24 U34.24
/Control Logic/~{TI_PLS}: U7.8 U11.1 U12.1 U13.1
/Control Logic/~{TO}: U3.13 U7.3 U16.13
/Control Logic/~{UART_DR}: U5.8 U14.13 U15.10
/Control Logic/~{V_NEXT}: U4.11 U35.15 U36.24 U37.11 U37.13 U39.11 U39.13
/Control Logic/~{V_RI_PLS}: R24.1 U2.6 U36.29
/Control Logic/~{VREG_OE}: U1.1 U2.1 U4.12 U38.1 U40.1 U41.1
/Memory and MAR/BANK0: U26.14 U31.4
/Memory and MAR/BANK1: U26.13 U31.28
/Memory and MAR/BANK2: U26.12 U31.29
/Memory and MAR/BANK3: U26.11 U31.3
/Memory and MAR/BANK4: U28.14 U31.2
/Memory and MAR/BANK5: U28.13 U31.30
/Memory and MAR/BANK6: U28.12 U31.1
/Memory and MAR/BANK7: U28.11 U33.13
/Memory and MAR/INH: J3.3 R5.2 U34.22
/PS2 Receiver/PS2_CLK: J2.5 R3.2 U9.13
/PS2 Receiver/PS2_DAT: J2.1 R4.2 U9.1 U17.14
/UART/UART_RTS: J1.2 U3.8 U3.12 U14.11 U15.1
/UART/UART_RX: J1.4 R1.2 U3.9 U16.14
/UART/UART_TX: J1.5 U12.9
/VGA/B0: U35.14 U36.13 U38.19
/VGA/B1: U35.12 U36.14 U38.18
/VGA/B2: U35.11 U36.15 U38.17
/VGA/B3: U35.10 U36.17 U38.16
/VGA/B4: U35.5 U36.18 U38.15
/VGA/B5: U35.4 U36.19 U38.14
/VGA/B6: U35.3 U36.20 U38.13
/VGA/B7: U35.2 U36.21 U38.12
/VGA/H1: R9.2 U37.15
/VGA/H2: R10.2 U37.1
/VGA/H4: R11.2 U37.2
/VGA/H8: R12.2 U33.1 U37.3
/VGA/H16: R13.2 U33.2 U37.4
/VGA/H32: R14.2 U33.5 U37.5